# KiCad board v1c.kicad_pcb (continued)
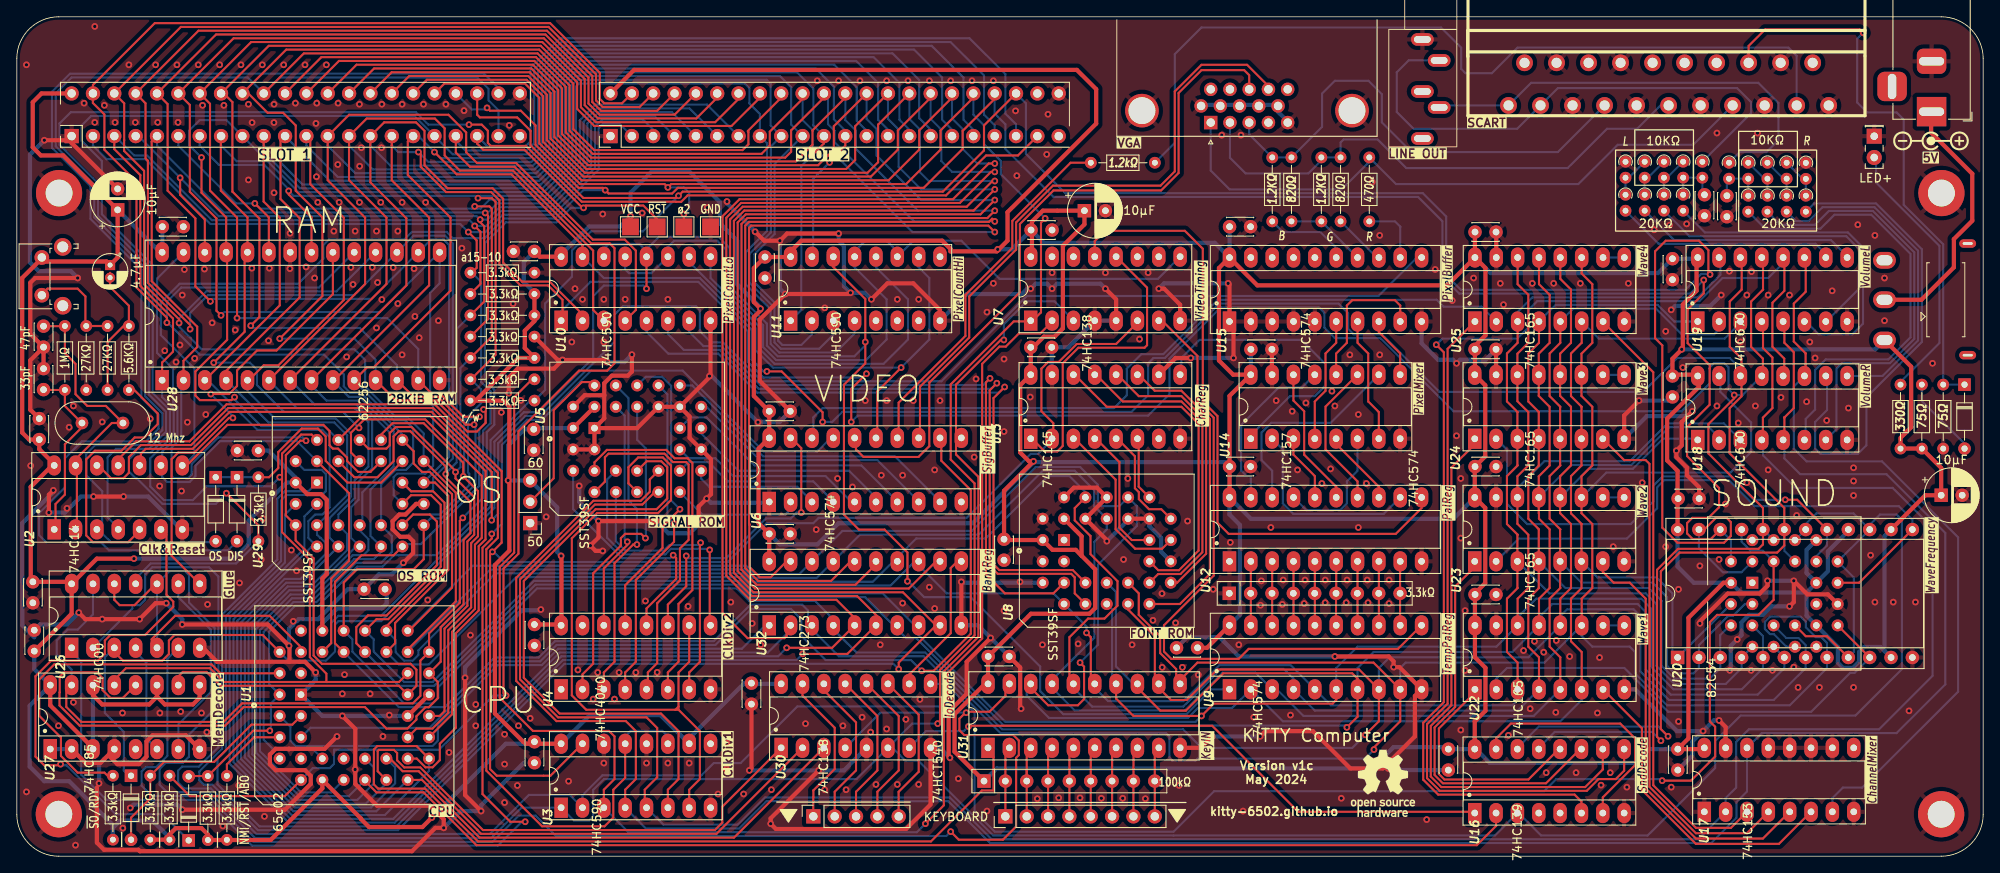
[diagram p0: board, top side]
## Routing (per net, layer and track width the routed paths; a pad name or vN(x,y) marks a point on that pad's centre or on a via; arc(x,y) is an arc through that point) (continued)
D1: length 501.9
  Top w0.25: v1(27.84,63.2) 28.87,64.23 28.87,75.96 25.66,79.17 25.66,89.84 24.63,90.87 J5.16 29.98,96.54 62.34,96.54 66.68,92.21 66.68,89.04 68.72,86.99 85.05,86.99 88.43,90.37 J6.16 ; U29.14 48.42,35.38 47.25,34.21 40.52,34.21 38.9,32.59 U1.35 ; U22.12 183.68,30.68 184.95,31.95 184.95,39.57 183.65,40.86 U23.12 183.65,45.26 184.95,46.56 184.95,53.54 183.65,54.83 U24.12 183.65,59.86 184.95,61.16 184.95,67.51 183.68,68.78 U25.12 ; v1(54.42,51.41) 53.43,51.41 50.1,54.73 47.21,54.73 U28.12 ; v1(160.47,14.46) 162.09,16.08 U9.8 159.73,22.24 142.85,22.24 139.23,18.61 137.34,18.61 135.42,20.53 135.42,26.2 132.24,29.38 U8.11
  Bottom w0.25: U23.12 187.06,46.15 192.32,46.15 195.9,49.74 200.18,49.74 ; U28.12 45.23,58.51 40.81,62.93 28.11,62.93 v1(27.84,63.2) ; U9.8 162.09,22.42 163.36,23.69 179.88,23.69 U22.12 183.68,28.61 184.47,29.41 192.41,29.41 193.2,28.61 193.2,22.01 196.6,18.61 209.08,18.61 212.87,22.41 212.87,25.15 212.03,25.99 210.57,25.99 U21.8 ; v1(54.42,51.41) 54.58,51.25 54.58,44.31 50.52,40.25 49.24,40.25 U29.14 ; v1(160.47,14.46) 158.91,12.9 141.01,12.9 138.79,15.12 117.25,15.12 108.1,24.27 99.92,24.27 96.69,27.5 96.69,28.71 94.99,30.42 87.15,30.42 85.67,31.9 61.91,31.9 50.17,20.16 50.17,18.9 49.49,18.21 46.09,18.21 39.93,24.37 39.93,25.83 U1.35
D2: length 507.1
  Top w0.25: U22.13 181.14,30.68 182.41,31.95 182.41,38.94 181.14,40.2 181.14,40.84 181.11,40.86 U23.13 181.11,45.26 182.41,46.56 182.41,53.54 181.11,54.83 U24.13 181.11,59.86 182.41,61.16 182.41,66.88 181.14,68.14 U25.13 ; U28.13 49.3,55.19 50.29,55.19 53.12,52.35 v1(55.05,52.35) ; U29.15 47.15,40.7 49.16,40.7 49.99,39.87 49.99,34.67 44.01,28.69 41.79,28.69 40.4,27.3 40.4,25.37 U1.34 ; v1(26.21,64.11) 26.21,76.08 22.99,79.29 22.99,89.64 J5.14 27.89,96.99 62.53,96.99 67.13,92.39 67.13,89.22 68.91,87.44 83.11,87.44 85.89,90.22 J6.14 ; v1(158.28,15.35) 159.55,16.62 U9.7 159.55,21.16 158.91,21.79 143.56,21.79 139.12,17.34 136.07,17.34 132.88,20.53
  Bottom w0.25: v1(55.05,52.35) 54.29,52.35 53.69,51.75 53.69,45.72 53.85,45.56 53.85,44.22 50.34,40.7 47.15,40.7 U29.15 ; 129.7,32.58 130.79,31.5 130.79,22.62 132.88,20.53 ; U23.13 184.97,46.6 192.13,46.6 196.64,51.12 201.34,51.12 202.72,49.74 ; U9.7 159.55,22.42 161.45,24.33 177.97,24.33 U22.13 181.14,28.46 182.73,30.05 192.89,30.05 193.84,29.09 193.84,22.23 196.82,19.25 207.17,19.25 210.33,22.41 U20.6 210.33,23.69 U21.7 ; v1(26.21,64.11) 44.08,64.11 47.77,60.41 U28.13 ; v1(158.28,15.35) 158.06,15.57 117.44,15.57 107.03,25.98 105.83,25.98 100.95,30.86 87.34,30.86 85.85,32.35 61.72,32.35 49.67,20.3 45.46,20.3 U1.34
D3: length 499.9
  Top w0.25: U9.6 157.01,18.61 156.57,18.18 142.45,18.18 141.16,16.89 ; 130.81,20.06 130.81,18.77 132.88,16.71 v1(140.97,16.71) ; U22.14 178.6,30.68 179.87,31.95 179.87,38.3 178.57,39.59 U23.14 178.57,45.26 179.87,46.56 179.87,52.91 178.57,54.2 U24.14 178.57,59.86 179.87,61.16 179.87,66.88 178.6,68.14 U25.14 ; U1.33 42.81,28.24 44.2,28.24 50.44,34.48 50.44,41.87 49.3,43.01 46.92,43.01 U29.17 ; J6.12 83.35,90.37 80.87,87.89 69.16,87.89 67.58,89.48 67.58,92.58 62.72,97.44 25.8,97.44 J5.12 20.59,89.5 20.59,79.16 23.76,75.99 23.76,64.98 v1(24.3,64.44)
  Bottom w0.25: v1(24.3,64.44) 24.7,64.83 43.2,64.83 U28.15 50.31,68.25 49.19,67.12 49.19,53.99 49.53,53.64 49.53,46.49 48.61,45.57 45.25,45.57 44.85,45.16 44.85,43.01 U29.17 ; 205.26,49.74 205.11,49.59 U18.3 203.13,51.57 196.46,51.57 191.94,47.05 181.78,47.05 178.57,43.84 U23.14 ; v1(140.97,16.71) 140.28,16.02 117.62,16.02 106.85,26.79 106.85,27.5 103.04,31.31 87.53,31.31 86.04,32.8 61.54,32.8 49.49,20.75 46.09,20.75 42.47,24.37 42.47,25.83 U1.33 ; 130.34,20.53 130.34,29.41 U8.9 ; 178.6,70.05 U25.14 ; U9.6 157.01,22.42 159.55,24.97 176.07,24.97 U22.14 178.6,28.46 180.82,30.68 193.31,30.68 194.47,29.52 194.47,22.55 197.14,19.89 205.27,19.89 207.79,22.41 U20.5 207.79,26.22 U21.6
D4: length 462.7
  Top w0.25: U29.18 49.77,44.51 51.34,42.94 51.34,34.11 45.01,27.78 45.01,25.37 U1.32 ; 127.8,20.53 127.8,26.1 v1(127.3,26.61) ; U22.3 178.6,23.06 177.33,24.33 177.33,30.68 178.6,31.95 178.57,31.97 U23.3 178.57,38.28 178.6,38.3 177.33,39.57 177.33,45.28 178.6,46.56 178.57,46.58 U24.3 178.57,52.88 178.6,52.91 177.33,54.17 177.33,59.89 178.6,61.16 U25.3 ; J6.10 78.28,88.34 69.35,88.34 68.03,89.66 68.03,92.77 62.9,97.89 23.71,97.89 J5.10 17.94,89.61 17.94,79.29 21.25,75.98 21.25,67.89 v1(23.03,66.1)
  Bottom w0.25: 127.8,20.53 129.85,18.48 138.83,18.48 143.11,22.76 151.59,22.76 U9.5 156.37,17.98 177.96,17.98 178.6,18.61 U22.3 178.6,20.52 ; v1(127.3,26.61) 127.3,27.37 U8.5 123.35,31.31 110.66,31.31 106.85,35.12 103.97,32.25 87.23,32.25 86.23,33.25 59.45,33.25 49.04,22.84 45.46,22.84 U1.32 ; U25.3 178.6,64.82 180.35,66.58 200.03,66.58 202.73,69.27 202.73,71.32 ; U23.3 182.38,31.31 193.84,31.31 195.11,30.05 195.11,22.68 197.27,20.52 203.36,20.52 205.25,22.41 U20.4 206.52,24.94 U21.5 ; v1(23.03,66.1) 23.33,66.4 42.22,66.4 U28.16 49.3,73.47 50.78,73.47 51.44,72.81 51.44,47.58 48.77,44.91 48.42,44.91 U29.18
D5: length 495.6
  Top w0.25: v1(20.63,62.79) 20.63,63.29 15.6,68.31 15.6,82.85 15.32,83.13 15.32,89.69 J5.8 21.62,98.34 63.09,98.34 68.48,92.95 68.48,89.85 69.54,88.79 76.19,88.79 J6.8 ; 125.26,20.53 125.26,26.09 127.48,28.31 129.43,28.31 130.98,29.86 130.98,32.77 127.77,35.99 127.77,38.16 127.74,38.16 125.89,40.01 125.89,41.47 127.16,42.75 ; U25.4 181.14,61.16 179.87,59.89 179.87,54.17 181.14,52.91 181.11,52.88 U24.4 181.11,46.58 181.14,46.56 179.87,45.28 179.87,40.2 181.14,38.94 181.11,38.91 U23.4 181.11,31.97 181.14,31.95 179.87,30.68 179.87,24.97 181.14,23.69 U22.4 ; U1.31 43.98,27.38 50.89,34.3 50.89,42.11 49.53,43.48 46.92,43.48 U29.19
  Bottom w0.25: U29.19 46.92,43.48 49.3,43.48 49.53,43.71 49.53,45.04 51.89,47.39 51.89,73 50.97,73.92 47.21,73.92 U28.17 40.13,66.85 22.75,66.85 20.63,64.72 v1(20.63,62.79) ; 181.78,20.52 178.61,17.34 154.47,17.34 U9.4 151.93,21.16 150.77,22.31 143.3,22.31 138.8,17.82 127.97,17.82 125.26,20.53 ; U21.4 203.86,27.5 202.7,26.33 202.7,23.69 202.71,23.67 202.71,22.41 201.46,21.16 197.27,21.16 195.74,22.68 195.74,30.42 194.21,31.95 184.29,31.95 U23.4 ; 200.19,63.7 197.24,63.7 195.26,65.67 183.11,65.67 U25.4 ; 127.16,42.75 127.16,43.38 125.26,45.28 122.72,45.28 115.28,37.85 107.03,37.85 101.88,32.7 87.42,32.7 86.41,33.7 56.97,33.7 47.79,24.53 47.79,23.98 47.1,23.29 46.09,23.29 45.09,24.29 45.09,25.76 U1.31
D6: length 492.1
  Top w0.25: U22.5 183.68,23.69 182.41,24.97 182.41,30.68 183.68,31.95 183.65,31.97 U23.5 183.65,38.91 183.68,38.94 182.41,40.2 182.41,45.28 183.68,46.56 183.65,46.58 U24.5 183.65,53.52 183.68,53.54 182.41,54.81 182.41,59.89 183.68,61.16 U25.5 ; v1(19.31,63.53) 19.31,63.96 15.15,68.13 15.15,81.64 12.77,84.02 12.77,85.29 12.78,85.3 12.78,89.69 J5.6 19.53,98.79 63.28,98.79 68.93,93.14 68.93,90.04 69.72,89.24 74.1,89.24 J6.6 ; U1.30 46.52,24.64 52.24,30.36 52.24,43.31 48.5,47.05 48.42,47.05
  Bottom w0.25: 202.73,63.7 202.73,62.92 201.99,62.17 198.13,62.17 195.08,65.22 185.2,65.22 U25.5 ; U28.18 38.04,67.3 22.57,67.3 19.31,64.04 v1(19.31,63.53) 19.31,63.08 22.01,60.39 40.18,60.39 41.45,59.12 41.45,55.96 45.04,52.37 46.42,52.37 48.42,50.37 48.42,47.05 ; U1.30 56.34,34.15 86.6,34.15 87.6,33.15 95.19,33.15 100.34,38.3 114.46,38.3 122.08,45.92 125.89,45.92 128.2,43.61 128.2,41.71 129.7,40.2 129.7,38.94 128.22,37.45 128.22,26.02 122.72,20.53 125.88,17.37 138.99,17.37 143.48,21.86 147.41,21.86 U9.3 149.94,19.89 153.11,16.71 180.51,16.71 U22.5 ; U21.3 205.63,30.03 204.24,28.64 203.66,28.64 200.17,25.15 U20.2 200.17,22.42 199.54,21.79 197.27,21.79 196.38,22.68 196.38,30.86 194.66,32.58 186.19,32.58 U23.5
D7: length 500.4
  Top w0.25: J6.4 72.01,89.69 69.91,89.69 69.38,90.22 69.38,93.33 63.46,99.24 16.42,99.24 9.06,91.89 J5.4 9.05,90.86 9.05,89.73 10.42,88.37 10.42,84.17 14.25,80.34 14.25,67.75 17.86,64.14 v1(17.86,63.56) ; U25.6 186.22,61.16 184.95,59.89 184.95,54.81 186.22,53.54 186.19,53.52 U24.6 186.19,46.58 186.22,46.56 184.95,45.28 184.95,40.84 186.22,39.57 186.19,39.55 U23.6 186.19,31.92 184.95,30.68 184.95,25.6 186.22,24.33 U22.6 ; v1(126.53,23.06) 127,22.58 127,18.72 126.27,17.98 122.73,17.98 120.18,20.53 ; U1.29 46.67,26.87 51.79,32 51.79,43.12 49.13,45.78 48.23,45.78 47.23,46.78 47.23,48.25 U29.21
  Bottom w0.25: U29.21 45.88,50.24 41.85,54.27 41.85,54.28 40.95,55.19 39.69,55.19 38.91,55.96 38.91,57.41 36.56,59.75 21.76,59.75 17.95,63.56 v1(17.86,63.56) 17.86,66.05 19.56,67.75 35.95,67.75 U28.19 ; U21.2 197.63,23.69 U20.1 197.01,24.3 197.01,31.31 195.11,33.22 188.1,33.22 U23.6 ; U1.29 54.25,34.6 86.78,34.6 87.79,33.6 93.09,33.6 U32.18 98.25,38.75 113.64,38.75 121.26,46.37 126.53,46.37 128.65,44.25 128.65,42.11 129.05,41.71 131.21,41.71 U8.23 133.28,41.71 133.28,39.34 128.67,34.72 128.67,25.2 v1(126.53,23.06) ; U25.6 188.26,61.66 203.23,61.66 205.27,63.7 ; 120.18,20.53 120.18,20.53 120.18,19.12 122.83,16.47 139.36,16.47 140.55,17.66 144.62,17.66 U9.2 150.66,16.08 183.68,16.08 186.22,18.61 U22.6
FX TICK: length 92.6
  Bottom w0.25: 94.78,49.73 94.78,52.27 95.89,53.39 130.56,53.39 132.09,54.91 132.09,58.08 133.81,59.81 136.43,59.81 142.91,66.29 168.97,66.29 169.79,65.47 174.29,65.47 U25.2
LEFT: length 65.4
  Bottom w0.25: R27.1 206.38,88.53 206.38,89.84 204.71,91.5 183.39,91.5 178.54,86.66 166.22,86.66 164.22,88.66 164.22,93.39 165.64,94.81 169.07,94.81
R/~{W}: length 405.4
  Top w0.25: 35.72,47.05 39.54,43.23 39.54,35.2 37.41,33.07 37.41,25.38 U1.38 ; J5.40 54.78,88.33 55.11,88.01 59.55,88.01 61.13,86.42 61.13,84.7 67.42,78.42 78.48,78.42 v1(78.75,78.68) 79.23,79.17 110.19,79.17 115.09,84.07 115.09,87.05 J6.40 ; v1(201.5,69.3) 201.3,69.5 201.3,72.2 200.17,73.33 196.22,73.33 194.95,72.06 194.95,61.72 195.81,60.85 195.81,39.14 197.62,37.34 203.16,37.34 203.97,38.15 203.97,39.81 203.47,40.31 202.19,40.31 200.8,38.92 200.17,38.92
  Bottom w0.25: U1.38 37.41,25.38 37.41,27.78 38.27,28.64 43.35,28.64 56.38,41.67 56.38,49.57 61.09,54.28 R2.1 62.87,55.55 62.87,65.85 66.07,69.05 66.07,72.16 68.34,74.44 74.5,74.44 v1(78.75,78.68) ; J6.40 120.08,89.69 120.08,83.67 124.77,78.99 167.32,78.99 170.09,76.21 170.09,69.23 171.85,67.47 198.55,67.47 200.44,69.37 201.43,69.37 v1(201.5,69.3) ; U21.27 205.24,33.83 203.03,33.83 200.17,36.68 200.17,38.92 ; U28.27 16.7,68.82 16.7,67.16 16.69,67.15 16.69,59.97 18.59,58.06 18.59,54.04 19.12,53.51 19.12,50.01 17.31,48.2 17.31,45.16 17.89,44.58 20.56,44.58 21.27,45.28 21.27,46.53 24.18,49.45 33.33,49.45 35.72,47.05
RDY: length 29.2
  Top w0.25: U1.3 32.78,15.67 27.92,15.67 23.49,11.24 21.3,11.24 21.29,11.25 19.7,11.25 19.69,11.24 18.76,11.24 18.75,11.25 17.54,11.25 R1.1 15.88,6.88 13.59,4.59 13.59,2.22
RIGHT: length 54.2
  Bottom w0.25: 169.07,89.31 169.2,89.44 J4.1 180.21,92.14 207.23,92.14 209.64,89.74 209.64,85.31 208.21,83.88 205.02,83.88 R36.1
ROM DISABLE: length 147.9
  Bottom w0.25: D4.2 25.12,36.44 10.97,36.44 10,37.41 3.48,37.41 2.65,38.24 2.65,40.87 5.73,43.95 5.73,47.42 7.74,49.43 15.36,49.43 16.87,50.94 16.87,52.58 14.82,54.63 14.82,69.87 8.77,75.92 8.77,79.8 4.19,84.38 4.19,91.07 6.34,93.22 55.6,93.22 57.32,91.5
VBlue: length 59.1
  Bottom w0.25: 188.94,89.44 183.39,83.88 165.98,83.88 162.44,87.42 162.44,90.79 160.85,92.38 156.85,92.38 155.33,90.85 155.33,86.89 R15.2 R14.2 146.66,85.99 146.66,87.78
VGreen: length 63.1
  Bottom w0.25: J4.11 195.6,89.44 192.81,86.66 189.24,86.66 184.55,81.98 165.34,81.98 161.93,85.39 157.89,85.39 157.53,85.03 R17.2 ; 155.24,82.89 153.7,81.34 146.22,81.34 144.37,83.2 144.37,87.78 ; 156.75,83.25 156.01,83.25
VPixel: length 170.2
  Top w0.25: v1(56.52,38.4) 56.52,37.85 55.42,36.74 55.42,7.4 58.72,4.1 v1(60.5,4.1)
  Bottom w0.25: 95.39,48.35 96.77,49.73 97.32,49.73 ; 95.39,48.35 95.24,48.2 88.88,48.2 79.24,57.85 68.35,57.85 62.49,51.99 60.71,51.99 57.73,49.01 57.73,39.61 v1(56.52,38.4) ; 95.39,48.35 95.31,48.28 ; 5.89,24.33 6.52,24.33 7.67,23.19 7.67,9.72 10.66,6.72 22.53,6.72 28,1.25 57.24,1.25 60.09,4.1 v1(60.5,4.1)
VRed: length 76.2
  Bottom w0.25: 142.07,87.78 142.07,81.68 144.32,79.44 157.65,79.44 160.94,82.73 R18.2 164.12,80.07 185.82,80.07 190.5,84.75 199.5,84.75 J4.15
VReset: length 34.5
  Top w0.25: 77.47,27.5 77.47,29.97 79.66,32.16 v1(79.66,35.78) ; v1(93.35,40.94) 93.35,48.62 92.24,49.73
  Bottom w0.25: v1(93.35,40.94) 92.8,40.94 92.1,40.23 89.15,40.23 84.42,35.5 79.94,35.5 v1(79.66,35.78)
~{6M}: length 193.3
  Top w0.25: v1(56.5,40.02) 56.52,40.04 56.52,45.77 49.36,52.94 25.33,52.94 20.93,48.53 15.34,48.53 14.77,47.96 14.77,46.56
  Bottom w0.25: v1(56.5,40.02) 57.28,40.8 57.28,49.19 60.52,52.44 62.3,52.44 69.52,59.66 69.53,59.66 71.12,61.26 71.12,64.52 72.13,65.53 80.83,65.53 81.28,65.07 81.28,62.53 82.6,61.22 84.03,61.22 88.66,56.58 110.03,56.58 120.19,66.74 162.04,66.74 166.62,71.32 U15.11
~{B7}: length 184.8
  Top w0.25: J6.41 119.14,83.48 115.34,83.48 110.58,78.72 79.82,78.72 79.06,77.95 78.44,77.95 78.43,77.97 67.23,77.97 60.57,84.63 60.55,84.61 56.41,84.61 56.05,84.97 56.05,86.42 55.32,87.15 v1(53.81,87.15)
  Bottom w0.25: v1(53.81,87.15) 48.98,87.15 47.49,88.63 6.42,88.63 5.09,87.3 5.09,84.76 9.67,80.17 9.67,76.3 15.72,70.25 15.72,55 17.77,52.95 17.77,50.57 15.73,48.53 11.81,48.53 10.8,47.52 10.8,40.36 12.23,38.94
~{CART}: length 213.5
  Top w0.25: R37.1 28.75,39.43 v1(24.94,43.24)
  Bottom w0.25: 113.83,86.56 112.65,87.73 112.65,92.76 108.87,96.54 65.01,96.54 62.02,93.55 62.02,84.77 60.87,83.62 51.87,83.62 J5.35 47.31,88.18 8.84,88.18 7.7,87.04 7.7,85.24 10.12,82.83 10.12,76.48 16.17,70.43 16.17,55.19 18.22,53.14 18.22,50.38 15.92,48.08 14.14,48.08 13.34,47.28 13.34,45.83 14.14,45.03 14.26,45.03 17.32,41.97 23.67,41.97 v1(24.94,43.24) ; R37.1 26.09,34.87 15.93,34.87 13.51,32.45 13.51,31.95
~{ChrGet}: length 38
  Top w0.25: 130.96,71.33 130.96,70.69 ; 120.8,49.74 122.33,48.22 123.81,48.22 124.47,48.87 124.47,58.72 126.32,60.57 134.2,60.57 134.5,60.88 134.5,67.73 U7.12
~{HSync}: length 83.9
  Top w0.25: 146.66,91.74 146.66,93.05 146.06,93.65 140.97,93.65 138.25,90.92 138.25,81.4 136.17,79.31 123.36,79.31 119.37,75.32 119.37,67.19 108.59,56.41 108.59,48.85 107.3,47.56 100.76,47.56 99.86,48.46 99.86,49.73
~{IO}: length 172.8
  Top w0.25: v1(111.13,2.93) 112.09,1.97 117.35,1.97 118.92,3.54 118.92,11.72 119.24,12.04 119.24,13.78 118.58,14.44 112.74,14.44 112.16,15.01 112.16,16.38 112.88,17.1 v1(112.97,17.1) 113.09,17.21 115.74,17.21 117.64,19.11 117.64,20.53
  Bottom w0.25: U26.6 17.91,23.52 17.91,11.96 16.57,10.61 15.36,10.61 14.85,10.1 14.85,8.4 16.08,7.17 22.72,7.17 28.18,1.7 56.61,1.7 59.74,4.83 61.74,4.83 64.16,2.41 110.61,2.41 v1(111.13,2.93) ; v1(112.97,17.1) 102.77,17.1 U30.4
~{NMI}: length 217.2
  Top w0.25: v1(58.22,19.15) 57.92,19.45 57.92,34.26 59.69,36.04 59.69,50.63 66.91,57.85 70.25,57.85 71.12,58.72 71.12,72.44 70.56,73 68.36,73 59.23,82.13 53.94,82.13 52.24,83.83 J5.37 ; R3.1 20.6,7.16 31.89,7.16 U1.7
  Bottom w0.25: U1.7 35.23,10.5 37.25,10.5 37.75,11 37.75,12.68 50.25,12.68 56.72,19.15 v1(58.22,19.15) ; J5.37 52.24,85.22 53.4,84.07 60.68,84.07 61.57,84.96 61.57,93.74 64.83,96.99 111.12,96.99 115.1,93.01 115.1,88.34 116.37,87.07 J6.37
~{OscWr}: length 147.2
  Top w0.25: v1(195.8,9) 199.22,9 202.1,11.88 202.1,15.42 201.47,16.06 201.47,27.88 202.33,28.75 207.27,28.75 209.06,30.54 U21.24
  Bottom w0.25: U30.9 110.57,20.53 113.97,17.12 113.97,5.32 116.38,2.92 137.65,2.92 142.48,7.75 181.75,7.75 183.19,9.19 195.61,9.19 v1(195.8,9) ; U21.24 207.78,36.39 206.32,36.39 205.25,37.46 205.25,38.92
~{PalGet}: length 77.5
  Top w0.25: U7.7 136.29,63.8 140.5,59.6 140.5,54.18 142.43,52.25 142.43,33.43 136.51,27.51 136.51,24.38 137.38,23.51 145.4,23.51 146.59,24.7 164.36,24.7 167.17,27.5
~{PalPush}: length 76.8
  Top w0.25: U7.13 128.28,73.28 129.5,74.5 139,74.5 141.13,72.37 141.13,54.18 142.88,52.43 142.88,39.73 144.21,38.4 164.09,38.4 167.17,41.47 U12.11
~{RAM}: length 55.2
  Top w0.25: v1(25.71,52.21) 25.25,52.21 21.12,48.08 19.2,48.08 18.42,47.3 18.42,35.79 U26.8 ; U28.20 37.61,66.96 30.9,60.24 28.58,60.24 26.21,57.87 26.21,56.01 25.25,55.06 v1(23.09,55.06) 23.09,54.97 23.14,54.92
  Bottom w0.25: v1(23.09,55.06) 25.71,52.43 v1(25.71,52.21)
~{RegTick}: length 102.5
  Bottom w0.25: U7.9 135.79,68.78 116.94,68.78 112.4,73.33 106.69,73.33 U11.11 104.78,72.06 103.51,73.33 100.97,73.33 99.7,72.06 U11.13 99.7,70.15 103.51,66.34 103.51,61.56 101.05,59.11 90.36,59.11 88.81,60.65 88.81,63.26 84.37,67.69 84.37,72.29 83.34,73.33 78.24,73.33 77.47,72.56 U10.11 75.52,69.46 72.84,69.46 72.39,69.91 U10.13
~{RESET}: length 213.5
  Top w0.25: 76.2,74.59 76.2,75.86 74.55,77.52 67.72,77.52 v1(67.44,77.24) 67.32,77.24 60.4,84.16 55.51,84.16 54.78,84.89 J5.39 ; D6.2 20.5,9.55 R43.1 28.14,14.95 v1(30.11,14.95)
  Bottom w0.25: v1(67.44,77.24) 65.95,77.24 64.23,75.52 58.2,75.52 55.7,73.02 55.7,56.68 56.82,55.56 56.82,51.4 55.93,50.51 55.93,41.85 49.93,35.86 45.45,35.86 45.45,35.86 44.89,35.86 43.54,34.51 40.52,34.51 35.85,29.83 33.12,29.83 30.02,26.73 30.02,20.51 U1.44 30.22,18.2 30.22,15.07 v1(30.11,14.95) ; J6.39 118.91,87.19 117.64,88.47 117.64,93.17 113.36,97.44 64.64,97.44 61.12,93.93 61.12,85.15 60.5,84.53 60.5,84.52 56.05,84.52 J5.39
~{R}/W: length 336.7
  Top w0.25: 202.71,38.92 201.59,37.79 199.42,37.79 198.76,38.45 198.76,39.68 199.38,40.31 201.3,40.31 202.57,41.58 202.57,43.86 198.76,47.67 198.76,51.1 201.44,53.78 201.44,58.08 201.47,58.1 201.47,58.48 198.83,61.12 198.83,65.14 200.74,67.05 v1(200.74,68.64) ; J6.38 116.37,90.22 112.56,86.41 112.56,84.26 107.91,79.62 78.66,79.62 77.99,78.95 70.42,78.95 v1(70.02,79.34) 69.75,79.62 66.85,79.62 61.73,84.74 61.73,87.06 59.97,88.81 56.3,88.81 v1(55.96,89.15) ; 43.34,47.05 42.08,45.79 42.08,45.78 40.61,45.78 39.3,47.09 39.3,47.48 38.22,48.56 37.61,48.56 37.21,48.96 37.21,50.66 36.48,51.39 25.06,51.39 20.23,46.56 19.85,46.56
  Bottom w0.25: 202.71,38.92 203.98,37.64 U21.26 ; 19.85,46.56 21.13,47.83 21.13,58.09 17.14,62.08 17.14,65.96 19.38,68.2 33.49,68.2 36.49,71.2 36.49,72.82 37.15,73.47 46.12,73.47 47.02,74.38 51.15,74.38 51.9,73.63 55.67,73.63 58.01,75.97 64.04,75.97 67.42,79.34 v1(70.02,79.34) ; v1(55.96,89.15) 55.78,88.96 54.15,88.96 J5.38 ; v1(200.74,68.64) 199.12,67.03 171.66,67.03 169.64,69.04 169.64,75.64 166.75,78.54 123.36,78.54 117.64,84.26 117.64,87.19 116.37,88.47 J6.38
~{Sync}: length 43.8
  Top w0.25: R39.1 125.39,82.61 118.47,75.69 118.47,72.45 112.88,66.87 112.88,61.98 104.94,54.03 104.94,49.73
~{VIrq}: length 116.8
  Top w0.25: v1(107.68,22.09) 109.11,22.09 113.53,26.51 113.53,43.61 110.02,47.11 110.02,49.73
  Bottom w0.25: v1(107.68,22.09) 106.41,23.37 96.25,23.37 93.35,26.27 93.35,28.24 92.13,29.46 87.42,29.46 83.13,25.17 64.24,25.17 62.29,23.22 57.03,23.22 49.12,15.3 34.95,15.3 U1.5
~{VolWr}: length 72.7
  Top w0.25: v1(113.25,15.45) 113.33,15.54 142.25,15.54 152.5,5.29 173.35,5.29 U16.1
  Bottom w0.25: U30.7 108.19,14.91 112.7,14.91 v1(113.25,15.45)
~{VP}: length 67.3
  Bottom w0.25: U1.2 32.56,15.43 32.56,13.77 33.19,13.13 49.49,13.13 50.09,13.74 50.09,15.64 57.22,22.77 62.47,22.77 64.42,24.72 86.28,24.72 89.07,27.5
~{VReset}: length 57.4
  Top w0.25: v1(105.23,58.2) 102.4,55.37 102.4,49.73
  Bottom w0.25: U11.10 107.32,70.15 108.59,68.88 108.59,61.56 v1(105.23,58.2) 89.98,58.2 87.91,60.28 87.91,62.89 80.02,70.78 U10.10
~{VSync}: length 74.9
  Top w0.25: 148.94,91.74 146.41,94.28 140.97,94.28 137.8,91.11 137.8,81.58 136.1,79.88 123.3,79.88 118.92,75.5 118.92,72.27 113.33,66.68 113.33,61.79 107.48,55.93 107.48,49.73
Net-(C1-Pad2): length 15.9
  Top w0.25: R5.2 10.8,61.19 ; 10.8,61.26 13.34,63.8 13.34,65.58 11.1,67.82 11.1,69.5
Net-(C2-Pad1): length 21.3
  Top w0.25: 7.74,51.61 5.72,53.63 R7.1 3.18,55.55 ; 4.61,38.94 4.61,41.96 5.72,43.08 5.72,49.07 8.15,51.5
Net-(C3-Pad1): length 34
  Top w0.25: 7.15,38.94 7.15,47.45 11.31,51.61 Y1.2 10.6,53.64 8.39,53.64 6.99,55.04 6.99,58.65 5.72,59.92 R7.2 5.7,63.14 3.2,63.14
Net-(C4-Pad2): length 6.5
  Bottom w0.25: C4.2 200.58,79.05 R27.2 198.3,80.83 R26.2 R22.1
Net-(C5-Pad2): length 6.5
  Bottom w0.25: R31.1 R35.2 R36.2 203.5,80.46 ; 203.5,79.07 203.5,80.85
Net-(D2-A): length 10.2
  Bottom w0.25: D2.2 231.78,49.14 226.7,54.22 226.7,56.66
Net-(D2-K): length 67.6
  Top w0.25: v1(219.71,98.09) 219.32,98.49 208.05,98.49 206.09,96.53 J4.16
  Bottom w0.25: D2.1 R40.1 229.24,72.9 224.54,77.6 224.54,87.76 223.69,88.61 220.19,88.61 219,89.8 219,97.38 v1(219.71,98.09)
Net-(D3-A): length 32.6
  Bottom w0.25: R41.2 224.16,56.5 228.79,61.13 228.79,72.71 221.25,80.25 221.25,83.73 221.25,83.74
Net-(D4-K): length 31.3
  Top w0.25: 45.88,47.05 43.34,44.51 39.34,44.51 36.76,47.09 36.76,50.02 35.84,50.94 33.9,50.94 31.11,48.15 31.11,46.24 30.02,45.15 R37.2 ; 26.28,45.08 26.21,45.15
  Bottom w0.25: R37.2 D5.1
Net-(D6-K): length 62.8
  Top w0.25: U2.6 17.81,38.28 17.81,31.15 18.62,30.34 18.62,29.71 15.26,26.35 11.14,26.35 10.48,25.69 10.48,24.11 9.67,23.3 4.09,23.3 2.22,21.44 2.22,11.88 3.26,10.84 5.33,10.84 v1(5.21,10.96) ; 17.31,38.81 17.31,38.94
  Bottom w0.25: D6.1 17.34,5 11.74,5 5.91,10.84 5.33,10.84
Net-(J4-P19): length 100.6
  Bottom w0.25: J4.19 211.8,95.35 210.82,96.33 178.58,96.33 175.54,93.28 172.38,93.28 171.88,93.79 171.88,96.33 169.48,98.72 140.97,98.72 137.8,95.55 137.8,84.98 R39.2
Net-(J9-Pin_2): length 17.9
  Top w0.25: 68.34,56.49 67.24,56.49 63.89,53.13 63.89,45.02 61.09,42.22
Net-(R4-Pad1): length 11.5
  Top w0.25: 3.36,67.34 3.64,67.61 7.24,67.61 8.17,66.69 8.17,63.17 R5.1
Net-(R6-Pad2): length 32.9
  Top w0.25: 14.77,38.94 13.24,37.41 9.06,37.41 8.26,38.21 8.26,47.28 9.29,48.31 12.45,48.31 14.02,49.88 15.17,49.88 16.77,51.48 16.77,52.75 13.34,56.18
Net-(R19-Pad1): length 5.1
  Bottom w0.25: R19.1 R23.2 191.82,80.83 R24.1
Net-(R20-Pad1): length 5.1
  Bottom w0.25: R20.1 R24.2 194.11,80.83 R25.1
Net-(R21-Pad1): length 5.1
  Bottom w0.25: R26.1 196.39,80.83 R25.2 R21.1
Net-(R28-Pad1): length 5.1
  Bottom w0.25: R33.1 212.53,80.69 R32.2 R28.1
Net-(R29-Pad1): length 5.1
  Bottom w0.25: R34.1 210.23,80.71 R33.2 R29.1
Net-(R30-Pad1): length 5.1
  Bottom w0.25: R35.1 207.94,80.71 R34.2 R30.1
Net-(RN1-R1): length 7.6
  Top w0.25: 146.85,27.5 146.85,31.3 RN1.2 146.85,31.33 U12.2
Net-(RN1-R2): length 7.6
  Top w0.25: 149.39,27.5 149.39,31.3 RN1.3 149.39,31.33 U12.3
Net-(RN1-R3): length 7.6
  Top w0.25: U12.4 151.93,31.33 RN1.4 151.93,31.3 151.93,27.5
Net-(RN1-R4): length 7.6
  Top w0.25: U12.5 154.47,31.33 RN1.5 154.47,31.3 154.47,27.5
Net-(RN1-R5): length 7.6
  Top w0.25: U12.6 157.01,31.33 RN1.6 156.99,27.53 157.01,27.5
Net-(RN1-R6): length 7.6
  Top w0.25: U12.7 159.55,31.33 RN1.7 159.55,31.3 159.55,27.5
Net-(RN1-R7): length 7.6
  Top w0.25: U12.8 162.09,31.33 RN1.8 162.09,31.3 162.09,27.5
Net-(RN1-R8): length 7.6
  Top w0.25: 164.63,27.5 164.61,27.53 RN1.9 164.61,35.11 U12.9
Net-(U1-~{SO}): length 46.5
  Top w0.25: U1.42 24.23,21.79 23.17,22.85 4.46,22.85 2.67,21.06 2.67,16.73 5.25,14.14 5.25,11.94 7.24,9.95 10.44,9.95 10.8,9.59
Net-(U1-ϕ1): length 8.9
  Top w0.25: 25,9.62 25,10.94 28.23,14.17 U1.4
Net-(U3-Q6): length 71.4
  Top w0.25: U3.6 77.47,7.92 78.75,9.19 78.75,14.91 76.66,17 64.59,17 60.33,21.25 60.33,32.79 68.88,41.34 76.13,41.34 77.4,42.61 77.4,46.35 76.7,47.05 74.96,47.05 U5.10
Net-(U3-Q7): length 83.6
  Top w0.25: 80.02,27.5 80.02,23.16 78.75,21.89 78.75,17.83 ; 78.75,17.83 78.36,17.44 ; 78.75,17.83 78.75,17.44 ; 78.36,17.44 67.76,17.44 66.05,19.16 66.05,37.87 69.06,40.89 76.32,40.89 77.85,42.42 77.85,46.54 76.88,47.5 73.94,47.5 72.79,46.35 72.79,44.42 U5.9 ; 78.36,17.44 78.75,17.44 ; U3.7 80.02,7.92 81.28,9.19 81.28,14.91 78.75,17.44
Net-(U4-Q0): length 30.6
  Top w0.25: v1(82.45,36.5) 82.45,27.5
  Bottom w0.25: U5.8 70.25,44.88 70.25,37.94 72.23,35.95 77.18,35.95 77.85,36.62 82.33,36.62
Net-(U4-Q1): length 34.8
  Top w0.25: v1(81.38,37.35) 81.28,37.26 81.28,23.16 80.02,21.89 U4.7
  Bottom w0.25: v1(81.38,37.35) 81.1,37.07 77.66,37.07 76.99,36.4 72.42,36.4 71.28,37.54 U5.7
Net-(U4-Q2): length 42.1
  Top w0.25: U4.6 77.47,21.89 78.75,23.16 78.75,30.06 80.39,31.7 80.39,46.85 79.83,47.41 78.28,47.41 77.28,48.4 70.22,48.4 68.74,46.93 U5.6
Net-(U4-Q3): length 44
  Top w0.25: U5.5 69.98,44.62 69.98,47.53 70.41,47.95 77.07,47.95 78.07,46.96 79.64,46.96 79.94,46.66 79.94,37.69 78.91,36.66 78.91,32.85 76.2,30.14 76.2,23 75.09,21.89 75.09,20.04
Net-(U4-Q4): length 39.1
  Top w0.25: U4.3 69.86,21.89 71.12,23.16 71.12,34.91 73.34,37.13 v1(73.79,37.13)
  Bottom w0.25: v1(73.79,37.13) 73.79,41.38 72.79,42.38 72.79,54.58 U5.27
Net-(U4-Q5): length 39.3
  Top w0.25: U4.2 67.31,21.66 68.58,22.93 68.58,33.7 71.88,37 71.88,37.89 72.39,38.4 74.3,38.4 v1(74.81,37.89)
  Bottom w0.25: v1(74.81,37.89) 74.86,37.94 74.86,48.57 73.82,49.6 U5.26
Net-(U4-Q6): length 39.4
  Top w0.25: v1(78.21,39.61) 78.21,37.46 73.67,32.91 73.67,23.16 72.39,21.89 U4.4
  Bottom w0.25: v1(78.21,39.61) 77.42,40.41 77.42,55.03 U5.23
